# Altium PCB uz_d_absolute_encoder.PcbDoc (part 2 of 2)
Units mm, origin at the board's own origin, x right, y up, seen from the top; angles counter-clockwise.
Board outline 155.99 x 100.01 mm, 4 copper layers (Top Layer, GND, VCC, Bottom Layer), stack 0.98 mm thick; 211 components, 154 nets, 663 pads, 256 vias.
Unrouted connection lines stored in the file: 156.
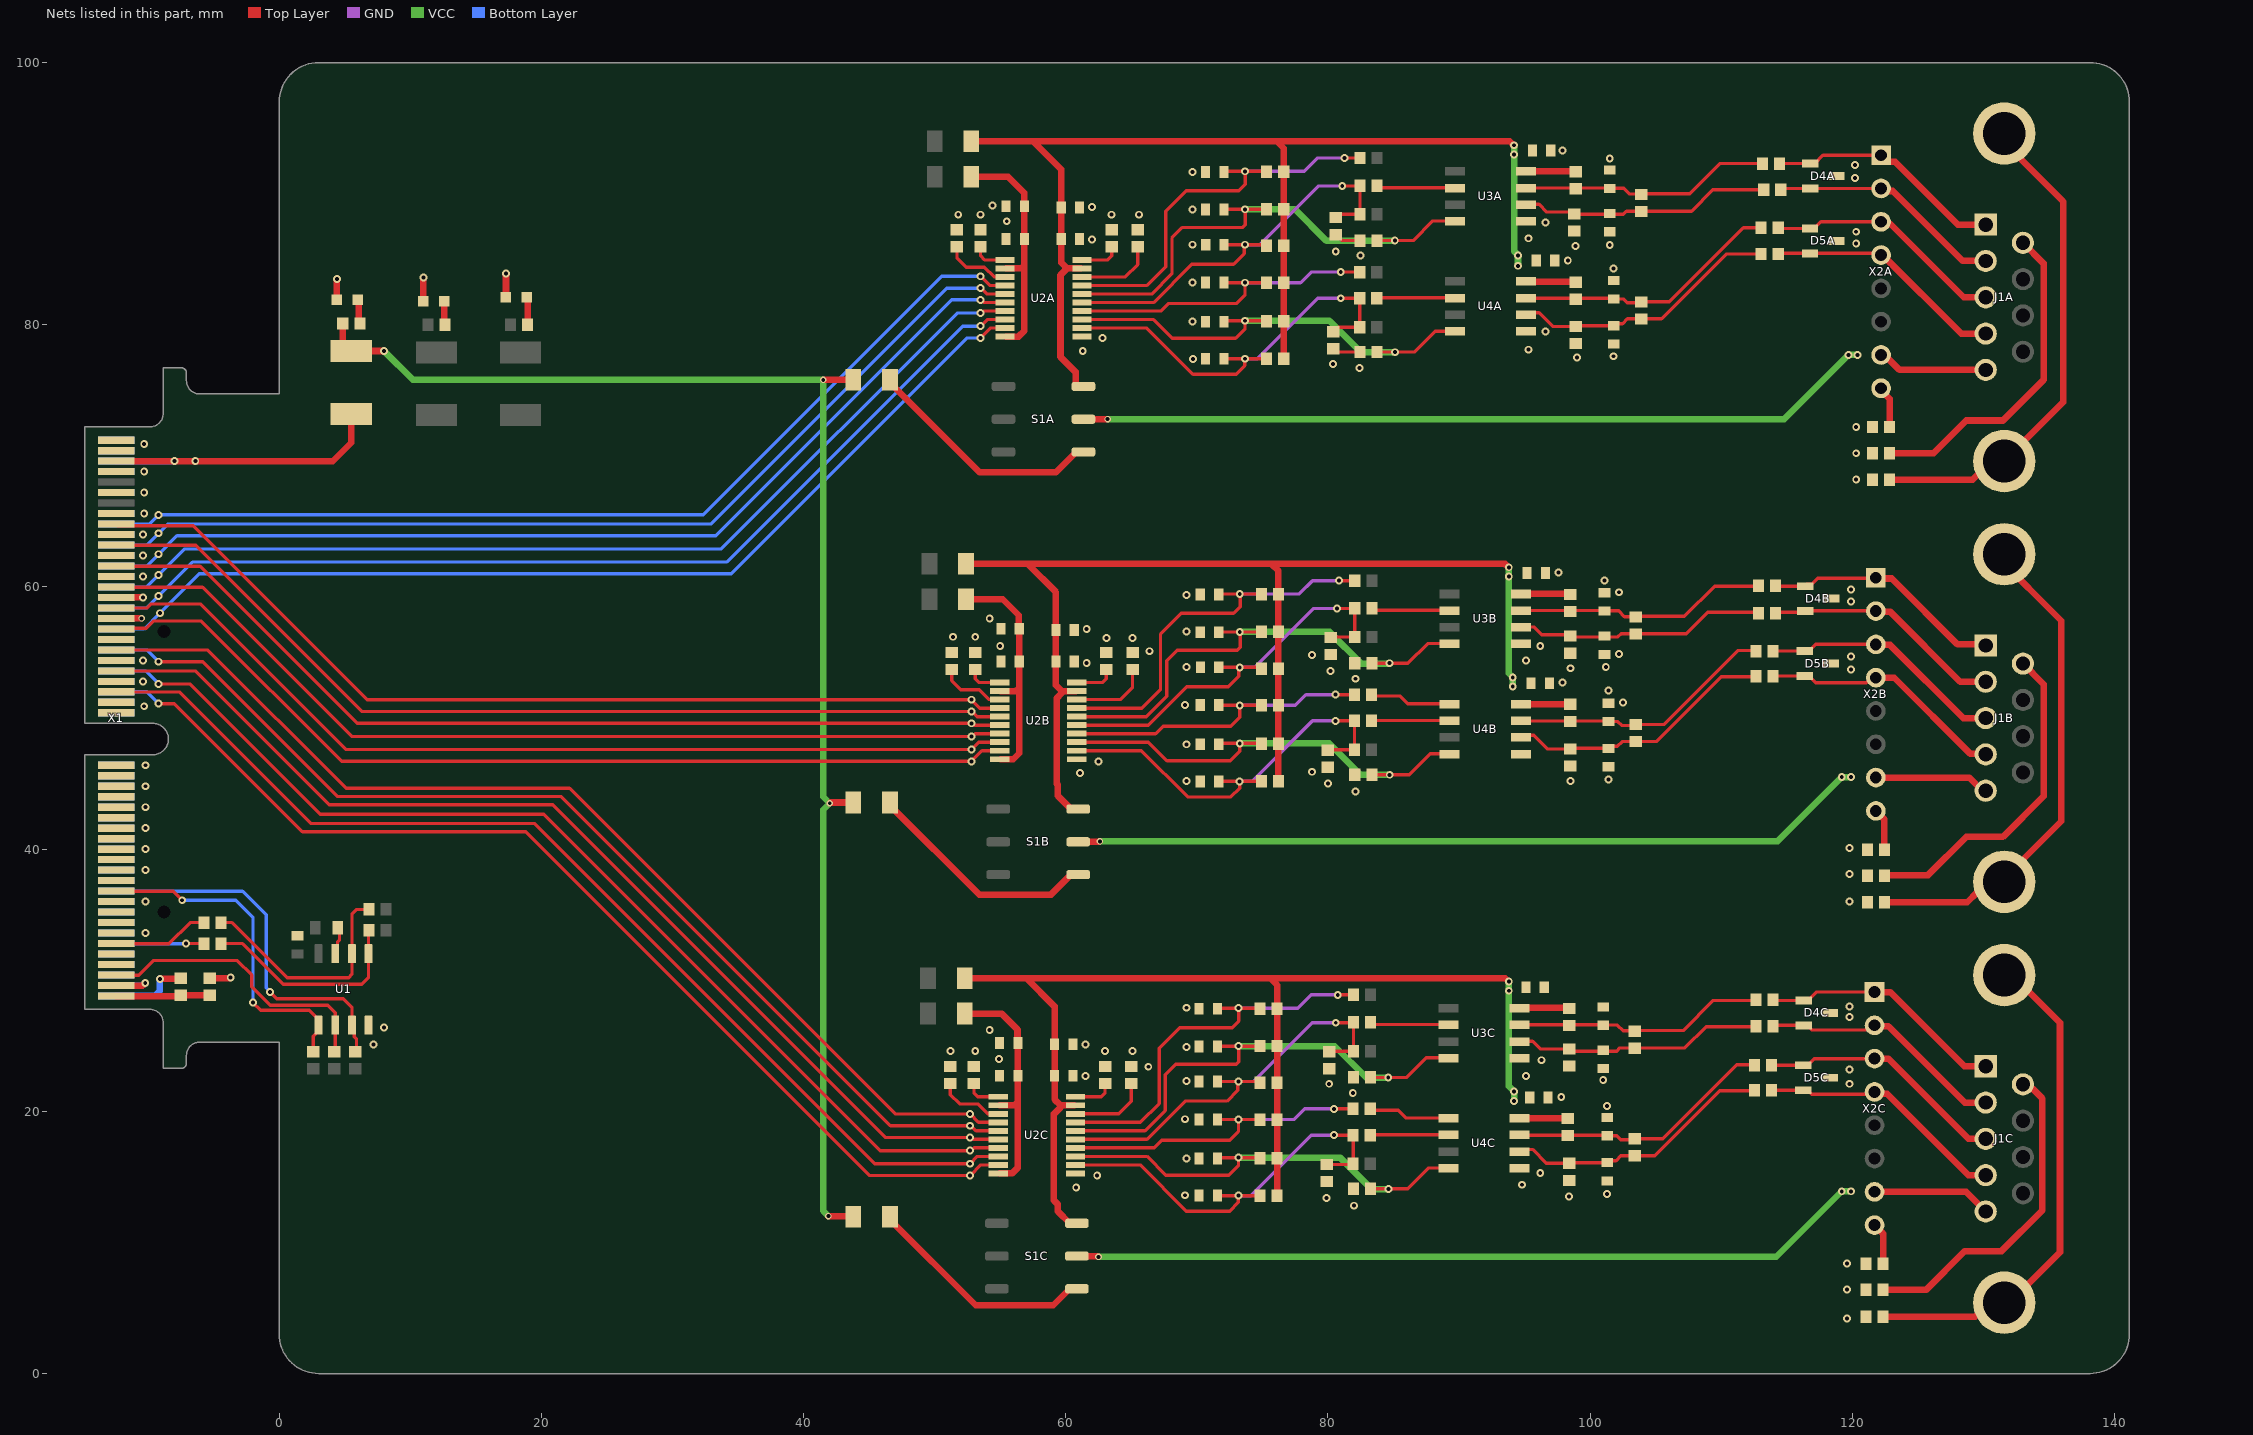
[diagram p4: the nets of this part, all layers, seen from the top]

## Via types
v1: diameter 0.6, hole 0.3, Top Layer to Bottom Layer, tented both sides, 249 vias
v2: diameter 0.5, hole 0.3, Top Layer to Bottom Layer, 7 vias

## Nets (pads, with @x,y where several pads share a name; then routed paths per layer and width w, separated by ;. In a path a pad name is that pad's centre, name@x,y a point inside that pad or via, vN(x,y) a via of type N, cw(c..) or ccw(c..) an arc to the next point about the centre after c; other vN are vias at no path point) (continued)
75_R2B: R13B.2 U4B.1 | length 6.2
  Top Layer w0.254: R13B.2@83.328,51.685 85.478,51.685 86.078,51.085 U4B.1@89.291,51.085
75_R2C: R13C.2 U4C.1 | length 6.2
  Top Layer w0.254: R13C.2@83.228,20.085 85.378,20.085 85.978,19.485 U4C.1@89.191,19.485
75_R\E\1A: R11A.2 U3A.2 | length 6.1
  Top Layer w0.254: R11A.2@83.753,90.625 83.918,90.46 U3A.2@89.791,90.46
75_R\E\1B: R11B.2 U3B.2 | length 5.9
  Top Layer w0.254: R11B.2@83.518,58.22 U3B.2@89.391,58.22
75_R\E\1C: R11C.2 U3C.2 | length 5.9
  Top Layer w0.254: R11C.2@83.418,26.62 U3C.2@89.291,26.62
75_R\E\2A: R14A.2 U4A.2 | length 6
  Top Layer w0.254: R14A.2@83.728,82.025 83.763,82.06 U4A.2@89.691,82.06
75_R\E\2B: R14B.2 U4B.2 | length 5.9
  Top Layer w0.254: R14B.2@83.363,49.82 U4B.2@89.291,49.82
75_R\E\2C: R14C.2 U4C.2 | length 5.9
  Top Layer w0.254: R14C.2@83.263,18.22 U4C.2@89.191,18.22
+3V3_EA: C7A.2 C8A.2 L1A.2 U2A.2 U2A.10 | length 18.2
  Top Layer w0.5: L1A.2@52.8,91.3 55.6,91.3 56.822,90.078 56.822,89.081 C8A.2@56.853,89.05 C7A.2@56.853,86.55 56.853,84.55 ; U2A.10@55.453,79.1 56.4,79.1 56.853,79.553 56.853,84.55 ; U2A.2@55.453,84.3 56.603,84.3 56.853,84.55
+3V3_EB: C7B.2 C8B.2 L1B.2 U2B.2 U2B.10 | length 18.1
  Top Layer w0.5: L1B.2@52.4,59.06 55.2,59.06 56.422,57.838 C8B.2@56.422,56.841 ; U2B.10@55.053,46.86 56,46.86 56.453,47.313 56.453,52.31 ; U2B.2@55.053,52.06 56.203,52.06 56.453,52.31 ; C8B.2@56.453,56.81 C7B.2@56.453,54.31 56.453,52.31
+3V3_EC: C7C.2 C8C.2 L1C.2 U2C.2 U2C.10 | length 18.1
  Top Layer w0.5: L1C.2@52.3,27.46 55.1,27.46 56.322,26.238 C8C.2@56.322,25.241 ; U2C.10@54.953,15.26 55.9,15.26 56.353,15.713 56.353,20.71 ; U2C.2@54.953,20.46 56.103,20.46 56.353,20.71 ; C8C.2@56.353,25.21 C7C.2@56.353,22.71 56.353,20.71
+5V_EA: C9A.2 C14A.2 C15A.2 C16A.2 L2A.2 R3A.2 R4A.2 R5A.2 R6A.2 R7A.2 R9A.2 R18A.2 R19A.2 S1A.1 U2A.19 U3A.8 U4A.8 | length 98.1
  Top Layer w0.5: L2A.2@52.8,94 57.5,94 ; U2A.19@61.153,84.3 60.103,84.3 ; S1A.1@61.353,75.3 60.85,75.3 60.75,75.4 60.75,76.4 59.6,77.55 59.6,83.797 60.103,84.3 ; R9A.2@76.628,77.411 R7A.2@76.628,80.268 R6A.2@76.628,83.211 R5A.2@76.628,86.019 R4A.2@76.628,88.825 R3A.2@76.628,91.678 76.628,93.472 76.1,94 ; v1@94.154,93.719 93.873,94 76.1,94 ; v1@94.473,85.3 v1(94.5,85.3) ; U4A.8@94.7,83.405 94.775,83.33 U4A.8@95.115,83.33 ; U3A.8@94.7,91.805 94.775,91.73 R18A.2@98.903,91.73 ; U4A.8@95.145,83.3 R19A.2@98.903,83.3 ; 57.5,94 59.653,91.847 C15A.2@59.653,88.95 C16A.2@59.653,86.55 59.653,84.75 60.103,84.3 ; 57.5,94 76.1,94
  VCC w0.5: v1(94.2,93.7) v1(94.2,93) 94.2,85.627 94.5,85.327 v1(94.5,85.3) v1(94.5,84.5)
+5V_EB: C9B.2 C14B.2 C15B.2 C16B.2 L2B.2 R3B.2 R4B.2 R5B.2 R6B.2 R7B.2 R9B.2 R18B.2 R19B.2 S1B.1 U2B.19 U3B.8 U4B.8 | length 97.5
  Top Layer w0.5: L2B.2@52.4,61.76 57.1,61.76 ; U2B.19@60.753,52.06 59.703,52.06 ; S1B.1@60.953,43.06 60.403,43.06 59.4,44.063 59.4,44.9 59.3,45 59.3,51.5 59.703,51.903 59.703,52.06 ; R9B.2@76.228,45.171 R7B.2@76.228,48.028 R6B.2@76.228,50.971 R5B.2@76.228,53.779 R4B.2@76.228,56.585 R3B.2@76.228,59.438 76.228,61.232 75.7,61.76 ; v1(93.8,61.5) 93.773,61.5 93.513,61.76 75.7,61.76 ; v1@94.081,53.119 v1(94.1,53.1) ; U3B.8@94.375,59.49 R18B.2@98.503,59.49 ; U4B.8@94.745,51.06 R19B.2@98.503,51.06 ; 57.1,61.76 59.253,59.607 C15B.2@59.253,56.71 C16B.2@59.253,54.31 59.253,52.51 59.703,52.06 ; 57.1,61.76 75.7,61.76
  VCC w0.5: v1(93.8,61.5) v1(93.8,60.8) 93.8,53.427 94.1,53.127 v1(94.1,53.1) v1(94.1,52.4)
+5V_EC: C9C.2 C14C.2 C15C.2 C16C.2 L2C.2 R3C.2 R4C.2 R5C.2 R6C.2 R7C.2 R9C.2 R18C.2 R19C.2 S1C.1 U2C.19 U3C.8 U4C.8 | length 97.6
  Top Layer w0.5: L2C.2@52.3,30.16 57,30.16 ; U2C.19@60.653,20.46 59.603,20.46 ; S1C.1@60.853,11.46 60.303,11.46 59.4,12.363 59.4,12.9 59.1,13.2 59.1,19.8 59.603,20.303 59.603,20.46 ; R9C.2@76.128,13.571 R7C.2@76.128,16.428 R6C.2@76.128,19.371 R5C.2@76.128,22.179 R4C.2@76.128,24.985 R3C.2@76.128,27.838 76.128,29.632 75.6,30.16 ; v1@93.781,29.919 93.754,29.919 93.513,30.16 75.6,30.16 ; U3C.8@94.275,27.89 R18C.2@98.403,27.89 ; U4C.8@94.645,19.46 R19C.2@98.403,19.46 ; 57,30.16 59.153,28.007 C15C.2@59.153,25.11 C16C.2@59.153,22.71 59.153,20.91 59.603,20.46 ; 57,30.16 75.6,30.16
  VCC w0.5: v1(93.8,29.9) v1(93.8,29.2) 93.8,21.927 94.2,21.527 v1(94.2,21.5) v1(94.2,20.8)
ADDR_0: R33.1 U1.1 X1.79 | length 25.9
  Top Layer w0.254: X1.79@-12.44,36.791 -12.436,36.795 -8.095,36.795 v1(-7.4,36.1) ; v1(-2,28.3) -1.403,27.703 2.304,27.703 2.857,27.15 2.857,26.3 3.007,26.15 2.6,25.743 R33.1@2.6,24.55
  Bottom Layer w0.254: v1(-7.4,36.1) -3.3,36.1 -2,34.8 v1(-2,28.3)
ADDR_1: R32.1 U1.2 X1.95 | length 22.4
  Top Layer w0.254: X1.95@-12.44,30.391 -10.709,30.391 -9.6,31.5 -3.2,31.5 -2.1,30.4 -2.1,29.5 -0.7,28.1 3.7,28.1 4.268,27.532 4.268,26.584 U1.2@4.277,26.575 4.277,24.627 R32.1@4.2,24.55
ADDR_2: R31.1 U1.3 X1.80 | length 28.1
  Top Layer w0.254: v1(-0.7,29.1) -0.2,28.6 4.9,28.6 5.547,27.953 U1.3@5.547,26.575 5.72,26.402 5.72,25.68 5.9,25.5 5.9,24.65 R31.1@5.8,24.55
  Bottom Layer w0.254: X1.80@-12,36.8 -2.8,36.8 -1,35 -1,29.422 -0.7,29.122 v1(-0.7,29.1)
Collective_FLT: X1.96
CPLD_DigIn_01: X1.83
CPLD_DigIn_02: X1.85
CPLD_DigOut_01: X1.84
CPLD_DigOut_02: X1.86
DIG_IO_0: U2B.4 X1.17 | length 73.3
  Top Layer w0.254: X1.17@-12.44,64.791 -12.313,64.664 -6.564,64.664 6.7,51.4 v1(52.8,51.4) 53.44,50.76 U2B.4@55.053,50.76
DIG_IO_1: U2A.4 X1.18 | length 76
  Top Layer w0.254: v1(53.5,83.7) 54.2,83 U2A.4@55.453,83
  Bottom Layer w0.254: X1.18@-12.44,64.791 -9.909,64.791 v1(-9.2,65.5) 32.353,65.5 50.553,83.7 v1(53.5,83.7)
DIG_IO_2: U2B.5 X1.21 | length 72.9
  Top Layer w0.254: X1.21@-12.44,63.191 -6.364,63.191 6.327,50.5 v1(52.8,50.5) 52.863,50.5 53.253,50.11 U2B.5@55.053,50.11
DIG_IO_3: U2A.5 X1.22 | length 76.2
  Top Layer w0.254: v1(53.5,82.8) 53.563,82.8 54.013,82.35 U2A.5@55.453,82.35
  Bottom Layer w0.254: X1.22@-12.436,63.195 -12.44,63.191 -10.109,63.191 v1(-9.2,64.1) -8.5,64.8 32.926,64.8 50.926,82.8 v1(53.5,82.8)
DIG_IO_4: U2B.6 X1.25 | length 72.5
  Top Layer w0.254: X1.25@-12.44,61.591 -6.037,61.591 5.954,49.6 v1(52.8,49.6) 52.894,49.6 53.034,49.46 U2B.6@55.053,49.46
DIG_IO_5: U2A.6 X1.26 | length 76.4
  Top Layer w0.254: v1(53.5,81.9) 53.594,81.9 53.794,81.7 U2A.6@55.453,81.7
  Bottom Layer w0.254: X1.26@-12.436,61.595 -12.44,61.591 -10.109,61.591 v1(-9.2,62.5) -7.8,63.9 33.299,63.9 51.299,81.9 v1(53.5,81.9)
DIG_IO_6: U2B.7 X1.29 | length 72.3
  Top Layer w0.254: X1.29@-12.44,59.991 -5.851,59.991 5.54,48.6 v1(52.8,48.6) 52.894,48.6 53.104,48.81 U2B.7@55.053,48.81
DIG_IO_7: U2A.7 X1.30 | length 76.6
  Top Layer w0.254: v1(53.5,80.9) 53.594,80.9 53.744,81.05 U2A.7@55.453,81.05
  Bottom Layer w0.254: X1.30@-12.436,59.995 -12.44,59.991 -10.127,59.991 v1(-9.2,60.918) -7.218,62.9 33.713,62.9 51.713,80.9 v1(53.5,80.9)
DIG_IO_8: U2B.8 X1.33 | length 72.5
  Top Layer w0.254: X1.33@-12.44,58.391 -10.106,58.391 -9.797,58.7 -5.974,58.7 5.126,47.6 v1(52.8,47.6) 53.36,48.16 U2B.8@55.053,48.16
DIG_IO_9: U2A.8 X1.34 | length 77
  Top Layer w0.254: v1(53.5,79.9) 54,80.4 U2A.8@55.453,80.4
  Bottom Layer w0.254: X1.34@-12.436,58.395 -12.44,58.391 -10.127,58.391 v1(-9.2,59.318) -6.618,61.9 34.127,61.9 52.127,79.9 v1(53.5,79.9)
DIG_IO_10: U2B.9 X1.37 | length 72.5
  Top Layer w0.254: X1.37@-12.44,56.791 -12.38,56.851 -10.149,56.851 -9.6,57.4 -5.947,57.4 4.753,46.7 v1(52.8,46.7) 53.61,47.51 U2B.9@55.053,47.51
DIG_IO_11: U2A.9 X1.38 | length 77.4
  Top Layer w0.254: v1(53.5,79) 54.25,79.75 U2A.9@55.453,79.75
  Bottom Layer w0.254: X1.38@-12.44,56.791 -10.309,56.791 v1(-9.1,58) ; v1(-9.1,58) -6.1,61 34.5,61 52.5,79 v1(53.5,79)
DIG_IO_12: U2C.4 X1.41 | length 82.3
  Top Layer w0.254: X1.41@-12.44,55.191 -5.444,55.191 5.097,44.65 22.15,44.65 47,19.8 v1(52.7,19.8) 53.34,19.16 U2C.4@54.953,19.16
DIG_IO_13: U2C.5 X1.42 | length 82.6
  Top Layer w0.254: v1(-9.2,54.3) -5.826,54.3 4.46,44.014 21.514,44.014 46.627,18.9 v1(52.7,18.9) 52.763,18.9 53.153,18.51 U2C.5@54.953,18.51
  Bottom Layer w0.254: X1.42@-12.44,55.191 -12.436,55.196 -10.095,55.196 v1(-9.2,54.3)
DIG_IO_14: U2C.6 X1.45 | length 82.2
  Top Layer w0.254: X1.45@-12.438,53.593 -6.392,53.593 3.824,43.377 20.877,43.377 46.254,18 v1(52.7,18) 52.794,18 52.934,17.86 U2C.6@54.953,17.86
DIG_IO_15: U2C.7 X1.46 | length 82.6
  Top Layer w0.254: v1(-9.2,52.6) -6.813,52.6 3.117,42.67 20.17,42.67 45.84,17 v1(52.7,17) 52.794,17 53.004,17.21 U2C.7@54.953,17.21
  Bottom Layer w0.254: X1.46@-12.44,53.591 -12.436,53.596 -10.196,53.596 v1(-9.2,52.6)
DIG_IO_16: U2C.8 X1.49 | length 82.5
  Top Layer w0.254: X1.49@-12.44,51.991 -7.618,51.991 2.41,41.963 19.463,41.963 45.426,16 v1(52.7,16) 53.26,16.56 U2C.8@54.953,16.56
DIG_IO_17: U2C.9 X1.50 | length 83
  Top Layer w0.254: v1(-9.2,51.1) -8,51.1 1.773,41.327 18.827,41.327 45.053,15.1 v1(52.7,15.1) 53.51,15.91 U2C.9@54.953,15.91
  Bottom Layer w0.254: X1.50@-12.44,51.991 -12.436,51.996 -10.096,51.996 v1(-9.2,51.1)
DIG_IO_18: X1.53
DIG_IO_19: X1.54
DIG_IO_20: X1.57
DIG_IO_21: X1.58
DIG_IO_22: X1.61
DIG_IO_23: X1.62
DIG_IO_24: X1.65
DIG_IO_25: X1.66
DIG_IO_26: X1.69
DIG_IO_27: X1.70
DIG_IO_28: X1.73
DIG_IO_29: X1.74
DIG_Res_00: X1.78
DIG_Res_03: X1.91
DIG_Res_04: X1.92
DIG_Res_05: X1.93
DIG_Res_06: X1.94
DIG_Res_08: X1.77
GND: C1A.1 C1B.1 C1C.1 C2A.1 C2B.1 C2C.1 C3A.1 C3B.1 C3C.1 C4A.1 C4B.1 C4C.1 C5A.1 C5B.1 C5C.1 C6A.1 C6B.1 C6C.1 C7A.1 C7B.1 C7C.1 C8A.1 C8B.1 C8C.1 C9A.1 C9B.1 C9C.1 C10A.1 C10B.1 C10C.1 C11A.1 C11B.1 C11C.1 C12A.2 C12B.2 C12C.2 C13A.2 C13B.2 C13C.2 C14A.1 C14B.1 C14C.1 C15A.1 C15B.1 C15C.1 C16A.1 C16B.1 C16C.1 C17.1 D1.1 D2.1 D3.1 D4A.3 D4B.3 D4C.3 D5A.3 D5B.3 D5C.3 R1.1 R15A.1 R15B.1 R15C.1 R16A.1 R16B.1 R16C.1 R20A.1 R20B.1 R20C.1 R21A.1 R21B.1 R21C.1 R23A.1 R23B.1 R23C.1 R24A.1 R24B.1 R24C.1 R26A.2 R26B.2 R26C.2 R27A.2 R27B.2 R27C.2 R28A.1 R28B.1 R28C.1 R42A.2 R42B.2 R42C.2 R43A.2 R43B.2 R43C.2 R44A.2 R44B.2 R44C.2 R45A.2 R45B.2 R45C.2 U1.4 U2A.11 U2B.11 U2C.11 U3A.5 U3B.5 U3C.5 U4A.5 U4B.5 U4C.5 X1.1 X1.2 X1.3 X1.4 X1.7 X1.8 X1.11 X1.12 X1.15 X1.16 X1.19 X1.20 X1.23 X1.24 X1.27 X1.28 X1.31 X1.32 X1.35 X1.36 X1.39 X1.40 X1.43 X1.44 X1.47 X1.48 X1.51 X1.52 X1.55 X1.56 X1.59 X1.60 X1.63 X1.64 X1.67 X1.68 X1.71 X1.72 X1.75 X1.76 X1.81 X1.82 X1.87 X1.88 X1.97 X1.98 | length 19.5
  Top Layer w0.254: R15A.1@80.403,77.975 80.453,77.925 R24A.1@82.453,77.925 ; R16A.1@80.603,86.875 80.653,86.875 81.103,86.425 R23A.1@82.453,86.425
  Top Layer w0.5: X1.97@-12.44,29.591 -10.436,29.591 -10.246,29.781 v1(-10.219,29.781) ; X1.35@-12.44,57.6 v2(-10.5,57.6) ; X1.31@-12.44,59.2 v1(-10.4,59.2) ; R1.1@-5.3,30.15 -3.777,30.15 -3.727,30.2 v1(-3.7,30.2) ; D1.1@4.4,81.9 v1(4.4,83.5) ; D2.1@11,81.8 v1(11,83.6) ; D3.1@17.3,82.1 v1(17.3,83.9)
  Bottom Layer w0.5: X1.98@-12.44,29.591 -10.436,29.591 -10.246,29.781 v1(-10.219,29.781)
  other v1: 119.591,4.209 119.591,6.409 119.6,8.4 82,12.8 79.9,13.4 98.4,13.5 69.1,13.6 101.3,13.7 60.8,14.2 94.8,14.4 62.4,15.1 96.2,15.3 69.2,16.4 69.1,19.4 101.3,20.4 97.8,21.1 81.9,21.4 80.1,22.1 119.8,22.1 69.2,22.3 101,22.4 61.5,22.7 95.1,22.7 119.8,23.2 66.3,23.4 96.3,23.9 54.9,24 51.2,24.6 53.1,24.6 63,24.6 65.1,24.6 69.2,24.9 7.2,25.1 61.5,25.1 54.2,26.2 8,26.4 119.8,27.2 69.2,27.9 119.8,28 -10.2,33.6 -10.2,36 119.8,36 119.8,38.1 -10.2,38.4 -10.2,40 119.8,40.1 -10.2,41.6 -10.2,43.2 82.1,44.4 -10.2,44.8 80,45 69.2,45.2 98.5,45.2 101.4,45.3 61.1,45.8 78.8,45.9 -10.2,46.4 62.5,46.7 69.2,48 -10.3,50.9 69.1,51 102.5,51.2 101.4,52.1 97.9,52.7 -10.4,52.8 82.1,53 80.2,53.6 119.9,53.7 98.5,53.8 69.2,53.9 101.2,53.9 61.6,54.2 -10.4,54.4 95.1,54.4 119.9,54.7 78.8,54.8 102.2,54.9 66.4,55.1 55,55.5 96.2,55.5 63.1,56.1 65.1,56.1 51.4,56.2 53.1,56.2 69.2,56.6 61.6,56.8 54.2,57.6 119.9,58.9 69.2,59.4 102.2,59.6 119.9,59.8 101.1,60.5 -10.4,60.8 97.6,61.1 -10.4,62.4 -10.4,64 -10.3,65.6 -10.3,67.2 120.3,68.2 -10.3,68.8 120.3,70.2 -10.3,70.9 120.3,72.2 82.4,76.7 80.4,77 69.7,77.4 99,77.5 101.8,77.6 61.3,78 95.3,78.1 62.8,79 96.6,79.5 69.668,80.241 69.668,83.226 101.8,84.3 98.3,84.9 82.5,85.3 80.6,85.6 98.9,86 101.5,86.1 69.678,86.111 120.3,86.2 62,86.5 95.3,86.6 120.3,87.1 96.6,87.8 55.5,87.9 51.8,88.4 53.5,88.4 63.5,88.4 65.6,88.4 69.668,88.789 62,89 54.4,89.1 120.2,91.2 69.668,91.667 120.2,92.2 101.5,92.7 97.9,93.3
GND_DSUBA: J1A.6 R26A.1 | length 25.2
  Top Layer w0.5: R26A.1@122.85,70.213 122.863,70.2 126.2,70.2 128.7,72.7 131.5,72.7 134.6,75.8 134.6,84.675 J1A.6@133.02,86.255
GND_DSUBB: J1B.6 R26B.1 | length 25.4
  Top Layer w0.5: R26B.1@122.45,38.023 125.777,38.023 128.69,40.935 131.49,40.935 134.604,44.049 134.604,52.571 J1B.6@133.02,54.155
GND_DSUBC: J1C.6 R26C.1 | length 25.4
  Top Layer w0.5: R26C.1@122.35,6.373 125.627,6.373 128.59,9.335 131.39,9.335 134.504,12.449 134.504,20.971 J1C.6@132.92,22.555
GND_HeaderA: R27A.1 X2A.8 | length 3.2
  Top Layer w0.5: X2A.8@122.2,75.16 122.2,75.017 122.85,74.367 R27A.1@122.85,72.204
GND_HeaderB: R27B.1 X2B.8 | length 3.2
  Top Layer w0.5: X2B.8@121.8,42.92 122.45,42.27 R27B.1@122.45,39.964
GND_HeaderC: R27C.1 X2C.8 | length 3.2
  Top Layer w0.5: X2C.8@121.7,11.32 122.35,10.67 R27C.1@122.35,8.364
I2C0_SCL: R35.1 R40.2 U1.6 | length 17.9
  Top Layer w0.254: R40.2@-4.45,34.4 -3.6,34.4 0.6,30.2 5.3,30.2 5.547,30.447 U1.6@5.547,32.025 5.547,35.047 5.9,35.4 R35.1@6.85,35.4
I2C0_SDA: R34.1 R41.1 U1.5 | length 16.4
  Top Layer w0.254: R41.1@-4.45,32.8 -2.8,32.8 0.3,29.7 6.3,29.7 6.817,30.217 U1.5@6.817,32.025 6.817,33.767 R34.1@6.85,33.8
NetC10A_2: C10A.2 R20A.2 R22A.1 R36A.1 U3A.6 | length 19.2
  Top Layer w0.254: U3A.6@95.115,89.19 96.11,89.19 96.7,88.6 98.778,88.6 98.903,88.475 98.953,88.425 102.525,88.425 102.775,88.675 107.737,88.675 109.362,90.3 R36A.1@113.15,90.3 ; R22A.1@103.9,88.65 R22A.1@103.95,88.65
NetC10B_2: C10B.2 R20B.2 R22B.1 R36B.1 U3B.6 | length 18.9
  Top Layer w0.254: U3B.6@94.715,56.95 95.71,56.95 96.3,56.36 R20B.2@98.378,56.36 ; R20B.2@98.553,56.185 102.125,56.185 102.375,56.435 107.337,56.435 108.962,58.06 R36B.1@112.75,58.06
NetC10C_2: C10C.2 R20C.2 R22C.1 R36C.1 U3C.6 | length 18.9
  Top Layer w0.254: U3C.6@94.615,25.35 95.61,25.35 96.2,24.76 R20C.2@98.278,24.76 ; R20C.2@98.453,24.585 102.025,24.585 102.275,24.835 107.237,24.835 108.862,26.46 R36C.1@112.65,26.46
NetC11A_2: C11A.2 R21A.2 R25A.1 R38A.1 U4A.6 | length 20.8
  Top Layer w0.254: U4A.6@95.115,80.79 95.255,80.93 96.109,80.93 97.164,79.875 R21A.2@98.903,79.875 98.953,79.925 C11A.2@101.903,79.925 ; C11A.2@101.803,79.925 101.957,80.079 102.479,80.079 102.85,80.45 R25A.1@103.9,80.45 105.45,80.45 110.4,85.4 R38A.1@113.05,85.4
NetC11B_2: C11B.2 R21B.2 R25B.1 R38B.1 U4B.6 | length 20.3
  Top Layer w0.254: U4B.6@94.855,48.69 95.709,48.69 96.764,47.635 R21B.2@98.503,47.635 ; R21B.2@98.553,47.685 C11B.2@101.503,47.685 ; C11B.2@101.557,47.839 102.079,47.839 102.45,48.21 R25B.1@103.5,48.21 105.05,48.21 110,53.16 R38B.1@112.65,53.16
NetC11C_2: C11C.2 R21C.2 R25C.1 R38C.1 U4C.6 | length 20.3
  Top Layer w0.254: U4C.6@94.755,17.09 95.609,17.09 96.664,16.035 R21C.2@98.403,16.035 ; R21C.2@98.453,16.085 C11C.2@101.403,16.085 ; C11C.2@101.457,16.239 101.979,16.239 102.35,16.61 R25C.1@103.4,16.61 104.95,16.61 109.9,21.56 R38C.1@112.55,21.56
NetC12A_1: C12A.1 R18A.1 R22A.2 R39A.1 U3A.7 | length 19.2
  Top Layer w0.254: U3A.7@95.115,90.46 95.132,90.443 101.785,90.443 101.803,90.425 102.575,90.425 103.025,89.975 104.003,89.975 104.028,90 107.6,90 109.9,92.3 R39A.1@113.15,92.3 ; R22A.2@103.9,89.95 R22A.2@103.95,89.95
NetC12B_1: C12B.1 R18B.1 R22B.2 R39B.1 U3B.7 | length 19.1
  Top Layer w0.254: U3B.7@94.732,58.203 C12B.1@101.385,58.203 ; C12B.1@101.403,58.185 102.175,58.185 102.625,57.735 R22B.2@103.603,57.735 ; R22B.2@103.628,57.76 107.2,57.76 109.5,60.06 R39B.1@112.75,60.06
NetC12C_1: C12C.1 R18C.1 R22C.2 R39C.1 U3C.7 | length 19.1
  Top Layer w0.254: U3C.7@94.632,26.603 C12C.1@101.285,26.603 ; C12C.1@101.303,26.585 102.075,26.585 102.525,26.135 R22C.2@103.503,26.135 ; R22C.2@103.528,26.16 107.1,26.16 109.4,28.46 R39C.1@112.65,28.46
NetC13A_1: C13A.1 R19A.1 R25A.2 R37A.1 U4A.7 | length 20.4
  Top Layer w0.254: U4A.7@95.115,82.06 95.157,82.018 101.76,82.018 C13A.1@101.803,81.975 102.525,81.975 102.825,81.675 R25A.2@103.9,81.675 ; R25A.2@103.9,81.75 106.05,81.75 111.7,87.4 R37A.1@113,87.4
NetC13B_1: C13B.1 R19B.1 R25B.2 R37B.1 U4B.7 | length 20.3
  Top Layer w0.254: U4B.7@94.757,49.778 98.7,49.778 C13B.1@101.36,49.778 ; C13B.1@101.403,49.735 102.125,49.735 102.425,49.435 R25B.2@103.5,49.435 ; R25B.2@103.5,49.51 105.65,49.51 111.3,55.16 R37B.1@112.6,55.16
NetC13C_1: C13C.1 R19C.1 R25C.2 R37C.1 U4C.7 | length 20.3
  Top Layer w0.254: U4C.7@94.657,18.178 98.5,18.178 C13C.1@101.26,18.178 ; C13C.1@101.303,18.135 102.025,18.135 102.325,17.835 R25C.2@103.4,17.835 ; R25C.2@103.4,17.91 105.55,17.91 111.2,23.56 R37C.1@112.5,23.56
NetD1_2: D1.2 R8.1 | length 1.9
  Top Layer w0.5: D1.2@6,81.9 6.075,81.825 6.075,80.175 R8.1@6.15,80.1
NetD2_2: D2.2 R29.1 | length 1.8
  Top Layer w0.5: D2.2@12.5,81.7 12.575,81.625 12.575,80.075 R29.1@12.65,80
NetD3_2: D3.2 R30.1 | length 2.1
  Top Layer w0.5: R30.1@18.95,80 D3.2@18.95,82.107
NetJ1A_10: J1A.10 J1A.11 R28A.2 | length 37.6
  Top Layer w0.5: R28A.2@122.85,68.182 129.177,68.182 129.905,68.91 J1A.11@131.6,68.91 ; J1A.10@131.2,94.3 136.1,89.4 136.1,74.105 J1A.11@131.6,69.605
NetJ1B_10: J1B.10 J1B.11 R28B.2 | length 38.1
  Top Layer w0.5: R28B.2@122.45,35.942 128.77,35.942 129.517,36.69 129.632,36.69 129.755,36.812 129.755,36.928 J1B.11@131.45,36.928 ; J1B.10@131.05,62.318 135.95,57.418 135.95,42.123 J1B.11@131.45,37.623
NetJ1C_10: J1C.10 J1C.11 R28C.2 | length 38.8
  Top Layer w0.5: R28C.2@122.35,4.342 129.385,4.342 130.447,5.405 132.005,5.405 135.85,9.25 135.85,26.75 132.205,30.395 J1C.10@131.6,30.395
NetR40_1: R40.1 X1.89 | length 7.4
  Top Layer w0.254: X1.89@-12.44,32.791 -8.409,32.791 -6.8,34.4 R40.1@-5.75,34.4
NetR41_2: R41.2 X1.90 | length 6.8
  Top Layer w0.254: v1(-7.1,32.8) R41.2@-5.75,32.8 R41.2@-5.85,32.9
  Bottom Layer w0.254: X1.90@-12.44,32.791 -7.109,32.791 v1(-7.1,32.8)
NetR42A_1: R42A.1 U2A.3 | length 5.2
  Top Layer w0.254: R42A.1@51.7,85.95 51.7,85.1 52.4,84.4 53.8,84.4 54.55,83.65 U2A.3@55.453,83.65
NetR42B_1: R42B.1 U2B.3 | length 5.2
  Top Layer w0.254: R42B.1@51.3,53.71 51.3,52.86 52,52.16 53.4,52.16 54.15,51.41 U2B.3@55.053,51.41
NetR42C_1: R42C.1 U2C.3 | length 5.2
  Top Layer w0.254: R42C.1@51.2,22.11 51.2,21.26 51.9,20.56 53.3,20.56 54.05,19.81 U2C.3@54.953,19.81
NetR43A_1: R43A.1 U2A.1 | length 2.8
  Top Layer w0.254: R43A.1@53.5,85.95 53.5,85.25 53.8,84.95 U2A.1@55.453,84.95
NetR43B_1: R43B.1 U2B.1 | length 2.8
  Top Layer w0.254: R43B.1@53.1,53.71 53.1,53.01 53.4,52.71 U2B.1@55.053,52.71
NetR43C_1: R43C.1 U2C.1 | length 2.8
  Top Layer w0.254: R43C.1@53,22.11 53,21.41 53.3,21.11 U2C.1@54.953,21.11
NetR44A_1: R44A.1 U2A.20 | length 3.2
  Top Layer w0.254: U2A.20@61.153,84.95 63.2,84.95 63.5,85.25 R44A.1@63.5,85.95
NetR44B_1: R44B.1 U2B.20 | length 3.2
  Top Layer w0.254: U2B.20@60.753,52.71 62.8,52.71 63.1,53.01 R44B.1@63.1,53.71
NetR44C_1: R44C.1 U2C.20 | length 3.2
  Top Layer w0.254: U2C.20@60.653,21.11 62.7,21.11 63,21.41 R44C.1@63,22.11
NetR45A_1: R45A.1 U2A.18 | length 6.1
  Top Layer w0.254: U2A.18@61.153,83.65 64.55,83.65 65.5,84.6 R45A.1@65.5,85.95
NetR45B_1: R45B.1 U2B.18 | length 6.1
  Top Layer w0.254: U2B.18@60.753,51.41 64.15,51.41 65.1,52.36 R45B.1@65.1,53.71
NetR45C_1: R45C.1 U2C.18 | length 6.1
  Top Layer w0.254: U2C.18@60.653,19.81 64.05,19.81 65,20.76 R45C.1@65,22.11
NetSB1_2: SB1.2 U1.7 | length 2.2
  Top Layer w0.254: U1.7@4.277,32.025 4.45,32.198 4.45,32.95 4.6,33.1 4.6,33.857 SB1.2@4.457,34
PILOT_IN: R2.1 X1.100 | length 6
  Top Layer w0.5: v1(-9.1,30.1) -9.081,30.119 -7.531,30.119 R2.1@-7.5,30.15
  Bottom Layer w0.5: X1.100@-12.43,28.801 -9.499,28.801 -9.1,29.2 v1(-9.1,30.1)
PILOT_OUT: R1.2 R2.2 X1.99 | length 7.2
  Top Layer w0.5: X1.99@-12.44,28.791 -12.309,28.791 -12.3,28.8 -12.291,28.791 -7.559,28.791 R2.2@-7.5,28.85 R1.2@-5.3,28.85
READ_WRITE_CLOCKA: C6A.2 R9A.1 R14A.1 R15A.2 R17A.1 U2A.12 | length 33.1
  Top Layer w0.254: U2A.12@61.153,79.75 66.178,79.75 69.703,76.225 73.003,76.225 73.668,76.891 v1(73.668,77.411) ; C6A.2@72.068,77.411 v1(73.668,77.411) ; R9A.1@75.328,77.411 v1(73.668,77.411) ; R15A.2@80.403,79.475 80.453,79.475 80.803,79.825 R17A.1@82.428,79.825 R14A.1@82.428,82.025 v1(80.978,82.025)
  GND w0.254: v1(73.668,77.411) 74.611,77.411 79.225,82.025 v1(80.978,82.025)
READ_WRITE_CLOCKB: C6B.2 R9B.1 R14B.1 R15B.2 R17B.1 U2B.12 | length 33
  Top Layer w0.254: U2B.12@60.753,47.51 65.778,47.51 69.303,43.985 72.603,43.985 73.268,44.651 v1(73.268,45.171) ; C6B.2@71.668,45.171 v1(73.268,45.171) ; R9B.1@74.928,45.171 v1(73.268,45.171) ; R15B.2@80,47.65 80.065,47.585 R17B.1@82.028,47.585 R14B.1@82.028,49.785 v1(80.578,49.785)
  GND w0.254: v1(73.268,45.171) 74.211,45.171 78.825,49.785 v1(80.578,49.785)
READ_WRITE_CLOCKC: C6C.2 R9C.1 R14C.1 R15C.2 R17C.1 U2C.12 | length 32.9
  Top Layer w0.254: U2C.12@60.653,15.91 65.678,15.91 69.203,12.385 72.503,12.385 73.168,13.051 v1(73.168,13.571) ; C6C.2@71.568,13.571 v1(73.168,13.571) ; R9C.1@74.828,13.571 v1(73.168,13.571) ; R15C.2@79.9,15.95 81.893,15.95 R17C.1@81.928,15.985 R14C.1@81.928,18.185 v1(80.478,18.185)
  GND w0.254: v1(73.168,13.571) 74.111,13.571 78.725,18.185 v1(80.478,18.185)
READ_WRITE_DATAA: C3A.2 R5A.1 R11A.1 R12A.1 R16A.2 U2A.15 | length 32.8
  Top Layer w0.254: U2A.15@61.153,81.7 66.7,81.7 69.625,84.625 72.803,84.625 73.611,85.434 73.611,86.045 v1(73.678,86.111) ; C3A.2@72.068,85.983 72.196,86.111 v1(73.678,86.111) ; R5A.1@75.328,86.019 75.236,86.111 v1(73.678,86.111) ; R16A.2@80.603,88.475 80.653,88.425 R12A.1@82.453,88.425 R11A.1@82.453,90.625 82.422,90.595 v1(81.096,90.595)
  GND w0.254: v1(73.678,86.111) 74.811,86.111 79.295,90.595 v1(81.096,90.595)
READ_WRITE_DATAB: C3B.2 R5B.1 R11B.1 R12B.1 R16B.2 U2B.15 | length 32.4
  Top Layer w0.254: U2B.15@60.753,49.46 U2B.15@60.841,49.46 66.3,49.46 69.225,52.385 72.403,52.385 73.211,53.194 73.211,53.805 v1(73.278,53.871) ; C3B.2@71.796,53.871 v1(73.278,53.871) ; R5B.1@74.836,53.871 v1(73.278,53.871) ; R16B.2@80.2,56.185 R12B.1@82.053,56.185 R11B.1@82.053,58.385 ; v1(80.696,58.355) R11B.1@82.022,58.355
  GND w0.254: v1(73.278,53.871) 74.411,53.871 78.895,58.355 v1(80.696,58.355)
READ_WRITE_DATAC: C3C.2 R5C.1 R11C.1 R12C.1 R16C.2 U2C.15 | length 32.4
  Top Layer w0.254: U2C.15@60.653,17.86 66.2,17.86 69.125,20.785 72.303,20.785 73.111,21.594 73.111,22.205 v1(73.178,22.271) ; C3C.2@71.696,22.271 v1(73.178,22.271) ; R5C.1@74.736,22.271 v1(73.178,22.271) ; R16C.2@80.153,24.585 R12C.1@81.953,24.585 R11C.1@81.953,26.785 ; v1(80.596,26.755) R11C.1@81.922,26.755
  GND w0.254: v1(73.178,22.271) 74.311,22.271 78.795,26.755 v1(80.596,26.755)
RS485_A_CLOCKA: D5A.2 J1A.4 R38A.2 X2A.4 | length 18.3
  Top Layer w0.254: R38A.2@114.35,85.4 114.4,85.45 D5A.2@116.775,85.45 122.07,85.45 X2A.4@122.2,85.32
  Top Layer w0.5: X2A.4@122.314,85.325 128.309,79.33 J1A.4@130.18,79.33
RS485_A_CLOCKB: D5B.2 J1B.4 R38B.2 X2B.4 | length 18.6
  Top Layer w0.254: R38B.2@114,53.21 D5B.2@116.375,53.21 ; D5B.2@116.7,53.21 117.21,52.7 121.083,52.7 121.463,53.08 X2B.4@121.8,53.08
  Top Layer w0.5: X2B.4@121.8,53.08 121.802,53.082 123.198,53.082 128.987,47.293 130.117,47.293 J1B.4@130.18,47.23
RS485_A_CLOCKC: D5C.2 J1C.4 R38C.2 X2C.4 | length 18.5
  Top Layer w0.254: R38C.2@113.9,21.61 D5C.2@116.275,21.61 ; D5C.2@116.6,21.61 116.91,21.3 121.183,21.3 X2C.4@121.363,21.48
  Top Layer w0.5: X2C.4@121.7,21.48 121.851,21.329 122.671,21.329 128.87,15.13 J1C.4@130.18,15.13
RS485_A_DATAA: D4A.2 J1A.2 R36A.2 X2A.2 | length 18.1
  Top Layer w0.254: R36A.2@114.45,90.3 114.55,90.4 X2A.2@122.2,90.4
  Top Layer w0.5: X2A.2@122.2,90.4 122.391,90.209 123.091,90.209 128.43,84.87 J1A.2@130.18,84.87
RS485_A_DATAB: D4B.2 J1B.2 R36B.2 X2B.2 | length 18.4
  Top Layer w0.254: R36B.2@114.068,58.06 116.3,58.06 116.437,58.197 121.763,58.197 X2B.2@121.8,58.16
  Top Layer w0.5: X2B.2@121.8,58.16 121.841,58.119 122.881,58.119 128.23,52.77 J1B.2@130.18,52.77
RS485_A_DATAC: D4C.2 J1C.2 R36C.2 X2C.2 | length 18.9
  Top Layer w0.254: R36C.2@114.05,26.56 116.625,26.56 116.798,26.387 116.798,26.349 116.947,26.2 121.003,26.2 121.363,26.56 X2C.2@121.7,26.56
  Top Layer w0.5: X2C.2@121.7,26.56 121.763,26.497 122.758,26.497 128.585,20.67 J1C.2@130.18,20.67
RS485_B_CLOCKA: D5A.1 J1A.3 R37A.2 X2A.3 | length 18.5
  Top Layer w0.254: R37A.2@114.3,87.4 114.35,87.35 D5A.1@116.775,87.35 117.1,87.35 117.61,87.86 X2A.3@122.2,87.86
  Top Layer w0.5: X2A.3@122.2,87.86 122.391,87.669 122.931,87.669 128.5,82.1 J1A.3@130.18,82.1
RS485_B_CLOCKB: D5B.1 J1B.3 R37B.2 X2B.3 | length 18.4
  Top Layer w0.254: R37B.2@113.95,55.11 D5B.1@116.375,55.11 ; D5B.1@116.7,55.11 117.21,55.62 X2B.3@121.8,55.62
  Top Layer w0.5: X2B.3@121.8,55.62 121.837,55.583 122.884,55.583 128.468,50 J1B.3@130.18,50
RS485_B_CLOCKC: D5C.1 J1C.3 R37C.2 X2C.3 | length 18.8
  Top Layer w0.254: R37C.2@113.85,23.51 D5C.1@116.275,23.51 ; D5C.1@116.6,23.51 117.11,24.02 X2C.3@121.7,24.02
  Top Layer w0.5: X2C.3@121.7,24.02 122.748,24.02 128.868,17.9 J1C.3@130.18,17.9
RS485_B_DATAA: D4A.1 J1A.1 R39A.2 X2A.1 | length 18.2
  Top Layer w0.254: R39A.2@114.45,92.3 D4A.1@116.8,92.3 117.125,92.3 117.765,92.94 X2A.1@122.2,92.94
  Top Layer w0.5: X2A.1@122.2,92.94 122.7,92.44 123.26,92.44 128.06,87.64 J1A.1@130.18,87.64
RS485_B_DATAB: D4B.1 J1B.1 R39B.2 X2B.1 | length 18.5
  Top Layer w0.254: R39B.2@114.05,60.06 D4B.1@116.4,60.06 116.573,60.233 116.932,60.233 117.358,60.659 121.759,60.659 X2B.1@121.8,60.7
  Top Layer w0.5: X2B.1@121.8,60.652 121.807,60.645 123.007,60.645 128.035,55.617 130.103,55.617 J1B.1@130.18,55.54
RS485_B_DATAC: D4C.1 J1C.1 R39C.2 X2C.1 | length 18.5
  Top Layer w0.254: R39C.2@113.95,28.46 D4C.1@116.3,28.46 ; D4C.1@116.625,28.46 117.265,29.1 X2C.1@121.7,29.1
  Top Layer w0.5: X2C.1@121.7,29.1 121.707,29.093 122.907,29.093 128.56,23.44 J1C.1@130.18,23.44
RX-S_CLOCKA: C4A.2 R6A.1 R13A.1 U2A.14 | length 26.3
  Top Layer w0.254: U2A.14@61.153,81.05 67.25,81.05 67.825,81.625 73.003,81.625 73.678,82.3 v1(73.678,83.211) ; C4A.2@72.068,83.226 72.083,83.211 v1(73.678,83.211) ; R6A.1@75.328,83.211 v1(73.678,83.211) ; v1(80.978,84.025) R13A.1@82.428,84.025
  GND w0.254: v1(73.678,83.211) 77.911,83.211 78.725,84.025 v1(80.978,84.025)
RX-S_CLOCKB: C4B.2 R6B.1 R13B.1 U2B.14 | length 26.3
  Top Layer w0.254: U2B.14@60.753,48.81 66.85,48.81 67.425,49.385 72.603,49.385 73.278,50.06 v1(73.278,50.971) ; C4B.2@71.683,50.971 v1(73.278,50.971) ; R6B.1@74.928,50.971 v1(73.278,50.971) ; v1(80.578,51.785) R13B.1@82.028,51.785
  GND w0.254: v1(73.278,50.971) 77.511,50.971 78.325,51.785 v1(80.578,51.785)
RX-S_CLOCKC: C4C.2 R6C.1 R13C.1 U2C.14 | length 26.3
  Top Layer w0.254: U2C.14@60.653,17.21 66.75,17.21 67.325,17.785 72.503,17.785 73.178,18.46 v1(73.178,19.371) ; C4C.2@71.583,19.371 v1(73.178,19.371) ; R6C.1@74.828,19.371 v1(73.178,19.371) ; v1(80.478,20.185) R13C.1@81.928,20.185
  GND w0.254: v1(73.178,19.371) 77.411,19.371 78.225,20.185 v1(80.478,20.185)
RX-S_DATAA: C1A.2 R3A.1 R10A.1 U2A.17 | length 31.7
  Top Layer w0.254: U2A.17@61.153,83 66.2,83 67.635,84.435 67.635,88.657 69.203,90.225 73.203,90.225 73.703,90.725 73.703,91.686 v1(73.678,91.711) ; C1A.2@72.068,91.667 72.113,91.711 v1(73.678,91.711) ; R3A.1@75.328,91.678 75.295,91.711 v1(73.678,91.711) ; v1(81.253,92.725) R10A.1@82.453,92.725
  GND w0.254: v1(73.678,91.711) 78.211,91.711 79.225,92.725 v1(81.253,92.725)
RX-S_DATAB: C1B.2 R3B.1 R10B.1 U2B.17 | length 31.6
  Top Layer w0.254: U2B.17@60.753,50.76 65.8,50.76 67.235,52.195 67.235,56.417 68.803,57.985 72.803,57.985 73.303,58.485 73.303,59.446 v1(73.278,59.471) ; C1B.2@71.713,59.471 v1(73.278,59.471) ; R3B.1@74.895,59.471 v1(73.278,59.471) ; v1(80.853,60.485) R10B.1@82.053,60.485
  GND w0.254: v1(73.278,59.471) 77.811,59.471 78.825,60.485 v1(80.853,60.485)
RX-S_DATAC: C1C.2 R3C.1 R10C.1 U2C.17 | length 31.6
  Top Layer w0.254: U2C.17@60.653,19.16 65.7,19.16 67.135,20.595 67.135,24.817 68.703,26.385 72.703,26.385 73.203,26.885 73.203,27.846 v1(73.178,27.871) ; C1C.2@71.613,27.871 v1(73.178,27.871) ; R3C.1@74.795,27.871 v1(73.178,27.871) ; v1(80.753,28.885) R10C.1@81.953,28.885
  GND w0.254: v1(73.178,27.871) 77.711,27.871 78.725,28.885 v1(80.753,28.885)
TX-S_CLOCKA: C5A.2 R7A.1 R24A.2 U2A.13 U4A.4 | length 36.4
  Top Layer w0.254: U2A.13@61.153,80.4 66.7,80.4 68.125,78.975 72.953,78.975 73.678,79.7 v1(73.678,80.311) ; C5A.2@72.068,80.241 72.138,80.311 v1(73.678,80.311) ; R7A.1@75.328,80.268 75.285,80.311 v1(73.678,80.311) ; R24A.2@83.753,77.925 86.603,77.925 88.198,79.52 U4A.4@89.691,79.52
  VCC w0.5: v1(73.678,80.311) 80.117,80.311 82.516,77.912 v1(85.115,77.912)
TX-S_CLOCKB: C5B.2 R7B.1 R24B.2 U2B.13 U4B.4 | length 36.2
  Top Layer w0.254: U2B.13@60.753,48.16 66.3,48.16 67.725,46.735 72.553,46.735 73.278,47.46 v1(73.278,48.071) ; C5B.2@71.738,48.071 v1(73.278,48.071) ; R7B.1@74.885,48.071 v1(73.278,48.071) ; R24B.2@83.353,45.685 86.203,45.685 87.798,47.28 U4B.4@89.291,47.28
  VCC w0.5: v1(73.278,48.071) 80.092,48.071 82.491,45.672 v1(84.715,45.672)
TX-S_CLOCKC: C5C.2 R7C.1 R24C.2 U2C.13 U4C.4 | length 36.2
  Top Layer w0.254: U2C.13@60.653,16.56 66.2,16.56 67.625,15.135 72.453,15.135 73.178,15.86 v1(73.178,16.471) ; C5C.2@71.638,16.471 v1(73.178,16.471) ; R7C.1@74.785,16.471 v1(73.178,16.471) ; R24C.2@83.253,14.085 86.103,14.085 87.698,15.68 U4C.4@89.191,15.68
  VCC w0.5: v1(73.178,16.471) 80.929,16.471 83.328,14.072 v1(84.615,14.072)
TX-S_DATAA: C2A.2 R4A.1 R23A.2 U2A.16 U3A.4 | length 39.4
  Top Layer w0.254: U2A.16@61.153,82.35 66.55,82.35 68.103,83.903 68.103,86.625 68.903,87.425 73.503,87.425 73.703,87.625 73.703,88.786 v1(73.678,88.811) ; C2A.2@72.068,88.789 72.09,88.811 v1(73.678,88.811) ; R4A.1@75.328,88.825 75.314,88.811 v1(73.678,88.811) ; R23A.2@83.753,86.425 v1(85.103,86.425) 86.503,86.425 88.003,87.925 U3A.4@89.286,87.925 ; U3A.4@89.291,87.92 U3A.4@89.286,87.925 ; U3A.4@89.291,87.925 U3A.4@89.286,87.925
  VCC w0.5: v1(73.678,88.811) 77.489,88.811 79.9,86.4 85.078,86.4 v1(85.103,86.425)
TX-S_DATAB: C2B.2 R4B.1 R23B.2 U2B.16 U3B.4 | length 39.3
  Top Layer w0.254: U2B.16@60.753,50.11 66.15,50.11 67.703,51.663 67.703,54.385 68.503,55.185 73.103,55.185 73.303,55.385 73.303,56.546 v1(73.278,56.571) ; C2B.2@71.69,56.571 v1(73.278,56.571) ; R4B.1@74.914,56.571 v1(73.278,56.571) ; R23B.2@83.353,54.185 v1(84.703,54.185) 86.103,54.185 87.603,55.685 U3B.4@88.886,55.685
  VCC w0.5: v1(73.278,56.571) 80.129,56.571 82.54,54.16 84.678,54.16 v1(84.703,54.185)
TX-S_DATAC: C2C.2 R4C.1 R23C.2 U2C.16 U3C.4 | length 39.3
  Top Layer w0.254: U2C.16@60.653,18.51 66.05,18.51 67.603,20.063 67.603,22.785 68.403,23.585 73.003,23.585 73.203,23.785 73.203,24.946 v1(73.178,24.971) ; C2C.2@71.59,24.971 v1(73.178,24.971) ; R4C.1@74.814,24.971 v1(73.178,24.971) ; R23C.2@83.253,22.585 v1(84.603,22.585) 86.003,22.585 87.503,24.085 U3C.4@88.786,24.085
  VCC w0.5: v1(73.178,24.971) 80.529,24.971 82.94,22.56 84.578,22.56 v1(84.603,22.585)
V_SupplyA: J1A.5 S1A.2 X2A.7 | length 69.5
  Top Layer w0.5: S1A.2@61.353,72.8 v2@63.2,72.8 ; X2A.7@122.2,77.7 122.471,77.7 123.611,76.56 J1A.5@130.18,76.56
  VCC w0.5: v2(63.2,72.8) 114.8,72.8 v1(119.7,77.7) v1(120.4,77.7)
V_SupplyB: J1B.5 S1B.2 X2B.7 | length 69.8
  Top Layer w0.5: S1B.2@60.953,40.56 62.56,40.56 v2(62.6,40.6) ; X2B.7@121.8,45.46 128.924,45.46 129.924,44.46 J1B.5@130.18,44.46
  VCC w0.5: v2(62.6,40.6) 114.3,40.6 v1(119.2,45.5) v1(119.9,45.5)
V_SupplyC: J1C.5 S1C.2 X2C.7 | length 70.2
  Top Layer w0.5: S1C.2@60.853,8.96 62.44,8.96 v2(62.5,8.9) ; X2C.7@121.7,13.86 128.68,13.86 J1C.5@130.18,12.36
  VCC w0.5: v2(62.5,8.9) 114.2,8.9 v1(119.2,13.9) v1(119.9,13.9)
VIN_EA: L3A.2 S1A.3 | length 18.5
  Top Layer w0.5: L3A.2@46.6,75.801 46.6,75.576 53.438,68.738 59.241,68.738 60.803,70.3 S1A.3@61.353,70.3
VIN_EB: L3B.2 S1B.3 | length 18
  Top Layer w0.5: L3B.2@46.6,43.56 46.6,43.335 53.4,36.535 58.878,36.535 60.403,38.06 S1B.3@60.953,38.06
VIN_EC: L3C.2 S1C.3 | length 17.7
  Top Layer w0.5: L3C.2@46.6,11.96 46.6,11.735 53.135,5.2 59.043,5.2 60.303,6.46 S1C.3@60.853,6.46
VIN_fused: F1.2 L3A.1 L3B.1 L3C.1 R8.2 | length 109.8
  Top Layer w0.5: R8.2@4.85,80.1 4.85,78.58 5.44,77.99 F1.2@5.5,77.99 5.51,78 v1(8,78) ; v2(41.5,75.8) L3A.1@43.8,75.801 L3A.1@43.8,75.801 ; v2(41.9,12) 43.76,12 L3C.1@43.8,11.96 ; v2(42,43.5) 42.06,43.56 L3B.1@43.8,43.56
  VCC w0.5: v1(8,78) 10.199,75.801 41.499,75.801 v2(41.5,75.8) 41.5,44 v2(42,43.5) 41.5,43 41.5,12.4 v2(41.9,12)
VIN_unfused: F1.1 X1.5 X1.6 | length 25.2
  Top Layer w0.5: X1.5@-12.44,69.591 v1@-8,69.591 ; v1(-8,69.6) v1(-6.4,69.6) ; v1@-6.4,69.591 4.091,69.591 5.5,71 F1.1@5.5,73.21
  Bottom Layer w0.5: X1.6@-12.44,69.591 -12.436,69.595 v1@-8,69.595
pads on no net: J1A.7 J1A.8 J1A.9 J1B.7 J1B.8 J1B.9 J1C.7 J1C.8 J1C.9 MH1.1 MH2.1 S1A.4 S1A.5 S1A.6 S1B.4 S1B.5 S1B.6 S1C.4 S1C.5 S1C.6 X2A.5 X2A.6 X2B.5 X2B.6 X2C.5 X2C.6

## Polygon pours and split planes (outlines as drawn)
GND on Top Layer "GND_L01_P027" (solid, pour order 27): -12.4,100.1 141.2,100.1 141.2,-0.1 -12.4,-0.1
V_SupplyA on Top Layer "V_SUPPLYA_L01_P016" (solid, pour order 16): 119.4,79 119,78.6 119,77 119.5,76.5 123.1,76.5 123.5,76.9 123.5,78.5 123,79
+5V_EA on Top Layer "+5V_EA_L01_P011" (solid, pour order 11): 93.5,83 93.85,82.65 96.15,82.65 96.3,82.8 96.3,85.7 96,86 94.1,86 93.5,85.4
V_SupplyC on Top Layer "V_SUPPLYC_L01_P026" (solid, pour order 26): 119,15.1 118.6,14.7 118.6,13.1 119.1,12.6 122.7,12.6 123.1,13 123.1,14.6 122.6,15.1
V_SupplyB on Top Layer "V_SUPPLYB_L01_P025" (solid, pour order 25): 119,46.8 118.6,46.4 118.6,44.8 119.1,44.3 122.7,44.3 123.1,44.7 123.1,46.3 122.6,46.8
+5V_EC on Top Layer "+5V_EC_L01_P017" (solid, pour order 17): 93.15,19.2 93.5,18.85 95.8,18.85 96.05,19.1 96.05,21.8 95.65,22.2 93.75,22.2 93.15,21.6
+5V_EC on Top Layer "+5V_EC_L01_P020" (solid, pour order 20): 92.9,27.505 93.25,27.155 95.55,27.155 95.8,27.405 95.8,30.105 95.4,30.505 93.5,30.505 92.9,29.905
+5V_EB on Top Layer "+5V_EB_L01_P022" (solid, pour order 22): 92.976,59.108 93.326,58.758 95.626,58.758 95.876,59.008 95.876,61.708 95.476,62.108 93.576,62.108 92.976,61.507
+5V_EB on Top Layer "+5V_EB_L01_P023" (solid, pour order 23): 93.3,50.755 93.65,50.405 95.95,50.405 96.2,50.655 96.2,53.355 95.8,53.755 93.9,53.755 93.3,53.155
+5V_EA on Top Layer "+5V_EA_L01_P015" (solid, pour order 15): 93.4,91.4 93.75,91.05 96.05,91.05 96.3,91.3 96.3,94 95.9,94.4 94,94.4 93.4,93.8
GND on Bottom Layer "GND_L04_P012" (solid, pour order 12): -12.4,100.1 141.2,100.1 141.2,-0.1 -12.4,-0.1
GND on GND "GND_L02_P013" (solid, pour order 13): -11.2,100.1 141.2,100.1 141.2,-0.1 -11.2,-0.1

## Silkscreen, mask and mechanical layers (free items; w line width, h text height)
Top Overlay:
  lines w0.5: 62.8,43 63.5,43.7 63.5,42.3 62.8,43 65.2,43 ; 65.2,6.553 62.8,6.553 ; 65.2,11.5 62.8,11.5 ; 65.2,38.053 62.8,38.053 ; 65.7,70.3 63.3,70.3 ; 65.7,75.247 63.3,75.247 ; 62.8,6.553 63.5,7.253 63.5,5.853 62.8,6.553 ; 62.8,11.5 63.5,10.8 63.5,12.2 62.8,11.5 ; 62.8,38.053 63.5,38.753 63.5,37.353 62.8,38.053 ; 63.3,70.3 64,69.6 64,71 63.3,70.3 ; 63.3,75.247 64,75.947 64,74.547 63.3,75.247
  text "B_DATA_A" at 108.6,95.667 h1
  text "A_DATA_A" at 108.6,94.367 h1
  text "B_CLOCK_A" at 107.8,82.867 h1
  text "A_CLOCK_A" at 107.8,81.567 h1
  text "V_Supply" at 111.6,77.433 h1
  text "GND" at 117.9,74.6 h1
  text "+5V" at 66.075,74.002 h2
  text "Encoder Supply Voltage" at 66.075,71.458 h2
  text "VIN" at 4.2,70.6 h1
  text "5V" at 11.2,70.6 h1
  text "3V3" at 17.2,70.5 h1
  text "+24V" at 66.075,69.055 h2
  text "B_DATA_B" at 107.6,63.067 h1
  text "A_DATA_B" at 107.6,61.667 h1
  text "B_CLOCK_B" at 106.9,50.567 h1
  text "A_CLOCK_B" at 106.9,49.267 h1
  text "V_Supply" at 111.6,45.233 h1
  text "GND" at 117.5,42.4 h1
  text "+5V" at 65.574,41.755 h2
  text "Encoder Supply Voltage" at 65.575,39.211 h2
  text "+24V" at 65.574,36.808 h2
  text "B_DATA_C" at 107.5,31.244 h1
  text "A_DATA_C" at 107.5,29.944 h1
  text "B_CLOCK_C" at 107.5,19.144 h1
  text "A_CLOCK_C" at 107.5,17.844 h1
  text "V_Supply" at 111.6,13.633 h1
  text "GND" at 117.3,10.8 h1
  text "+5V" at 65.574,10.255 h2
  text "Encoder Supply Voltage" at 65.575,7.711 h2
  text "+24V" at 65.574,5.308 h2
Mechanical 1:
  lines w0.05: -9.84,72.225 -14.84,72.225 -14.84,49.6 -9.64,49.6 cw(c-9.64,48.4) -9.64,47.2 -14.84,47.2 -14.84,27.775 -9.84,27.775 cw(c-9.84,26.775) -8.84,26.775 -8.84,23.275 -7.46,23.275 ccw(c-7.46,23.675) -7.06,23.675 -7.06,24.275 cw(c-6.06,24.275) -6.06,25.275 0,25.275 0,3 ccw(c3,3) 3,0 138.141,0 ccw(c138.141,3) 141.141,3 141.141,97 ccw(c138.141,97) 138.141,100 3,100 ccw(c3,97) 0,97 0,74.725 -6.06,74.725 cw(c-6.06,75.725) -7.06,75.725 -7.06,76.325 ccw(c-7.46,76.325) -7.46,76.725 -8.84,76.725 -8.84,73.225 cw(c-9.84,73.225) -9.84,72.225

## Dimensions
141.141,0 to 141.141,100 on Top Value
146.143,97.802 to -14.84,72.216 on Top Value
141.141,100 to -14.853,72.225 on Top Value
141.141,100 to 0.031,100 on Top Value

## Text inside footprints (layer, text, board x,y; h text height)
J1A: Top Overlay "6" at 136.125,86.755 h1 r270; Top Overlay "9" at 136.125,78.445 h1 r270; Top Overlay "5" at 126.725,77.06 h1 r270; Top Overlay "1" at 126.725,87.89 h1 r270
J1B: Top Overlay "1" at 126.725,55.79 h1 r270; Top Overlay "5" at 126.725,44.96 h1 r270; Top Overlay "9" at 136.125,46.345 h1 r270; Top Overlay "6" at 136.125,54.655 h1 r270
J1C: Top Overlay "1" at 126.725,23.69 h1 r270; Top Overlay "5" at 126.725,12.86 h1 r270; Top Overlay "9" at 136.125,14.245 h1 r270; Top Overlay "6" at 136.125,22.555 h1 r270
Serial: Top Assembly "SerialNr" at 36.1,6.9 h1 r180